# KiCad board arena_top_10-10.kicad_pcb
title: G6 10-10 Arena Top; date: 2026-06-10; rev: v1.1.8; company: IORodeo for Reiser Lab @ Janelia | HHMI
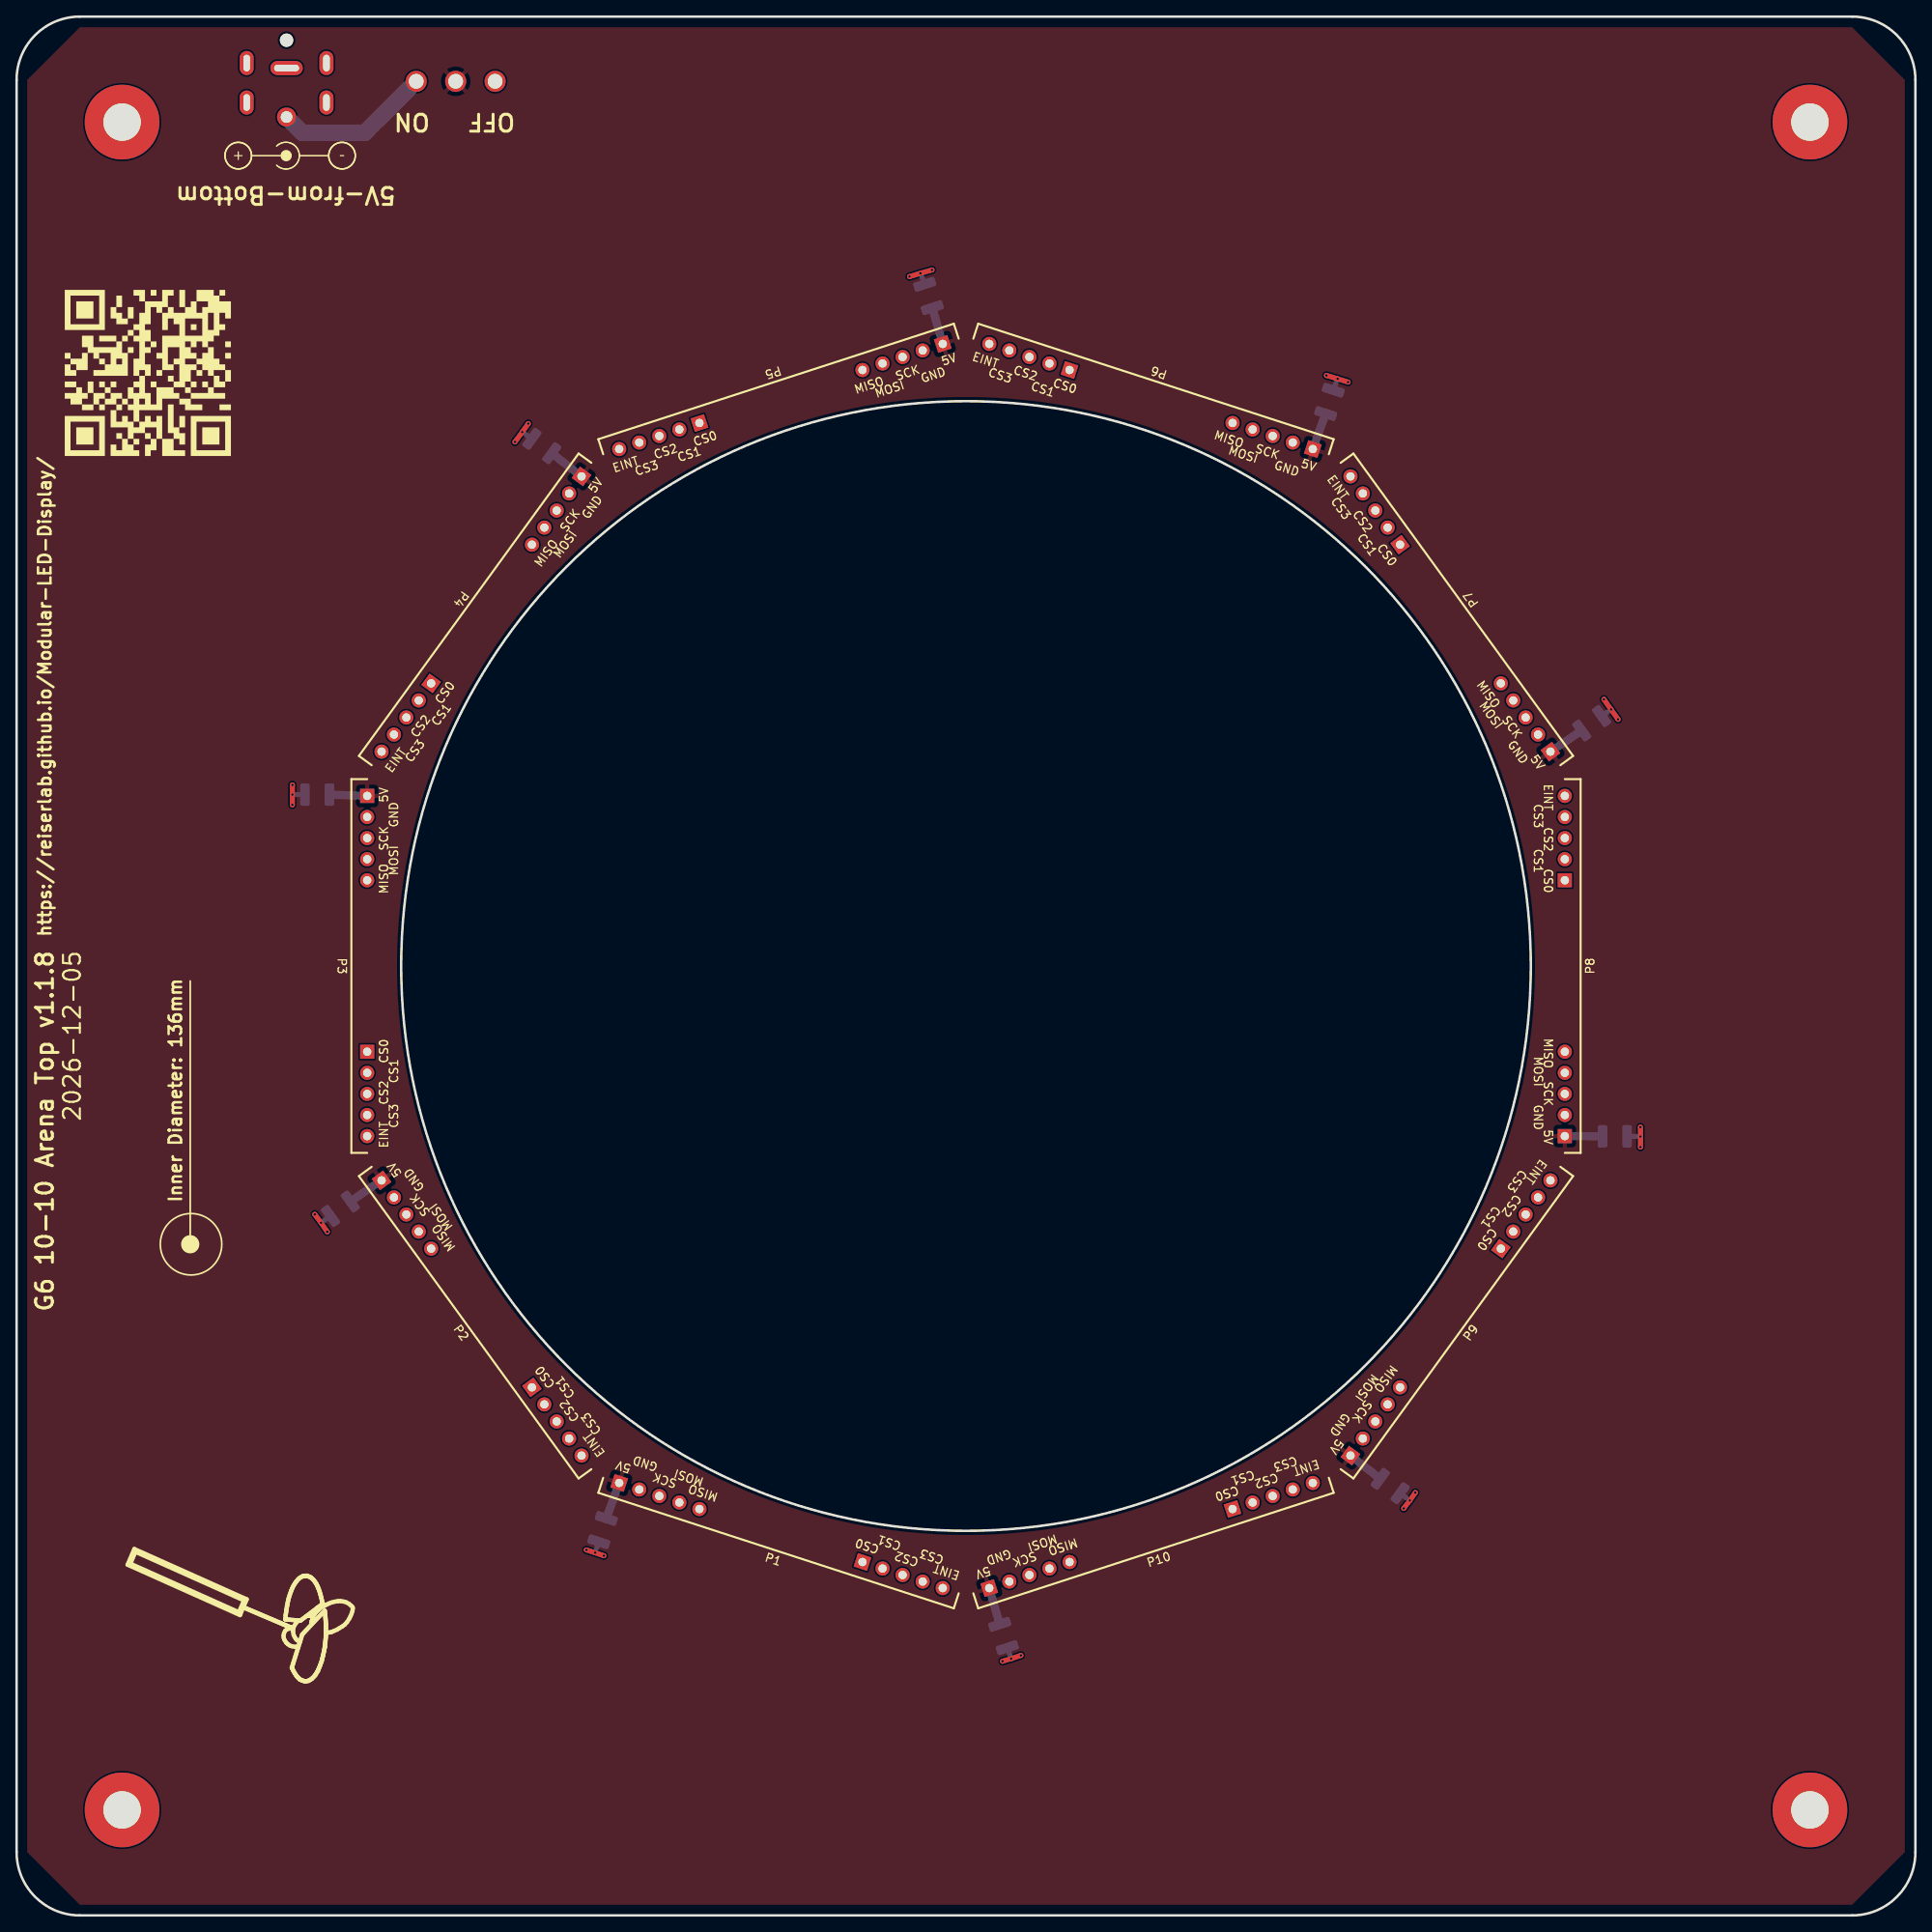
[diagram p0: board, top side]
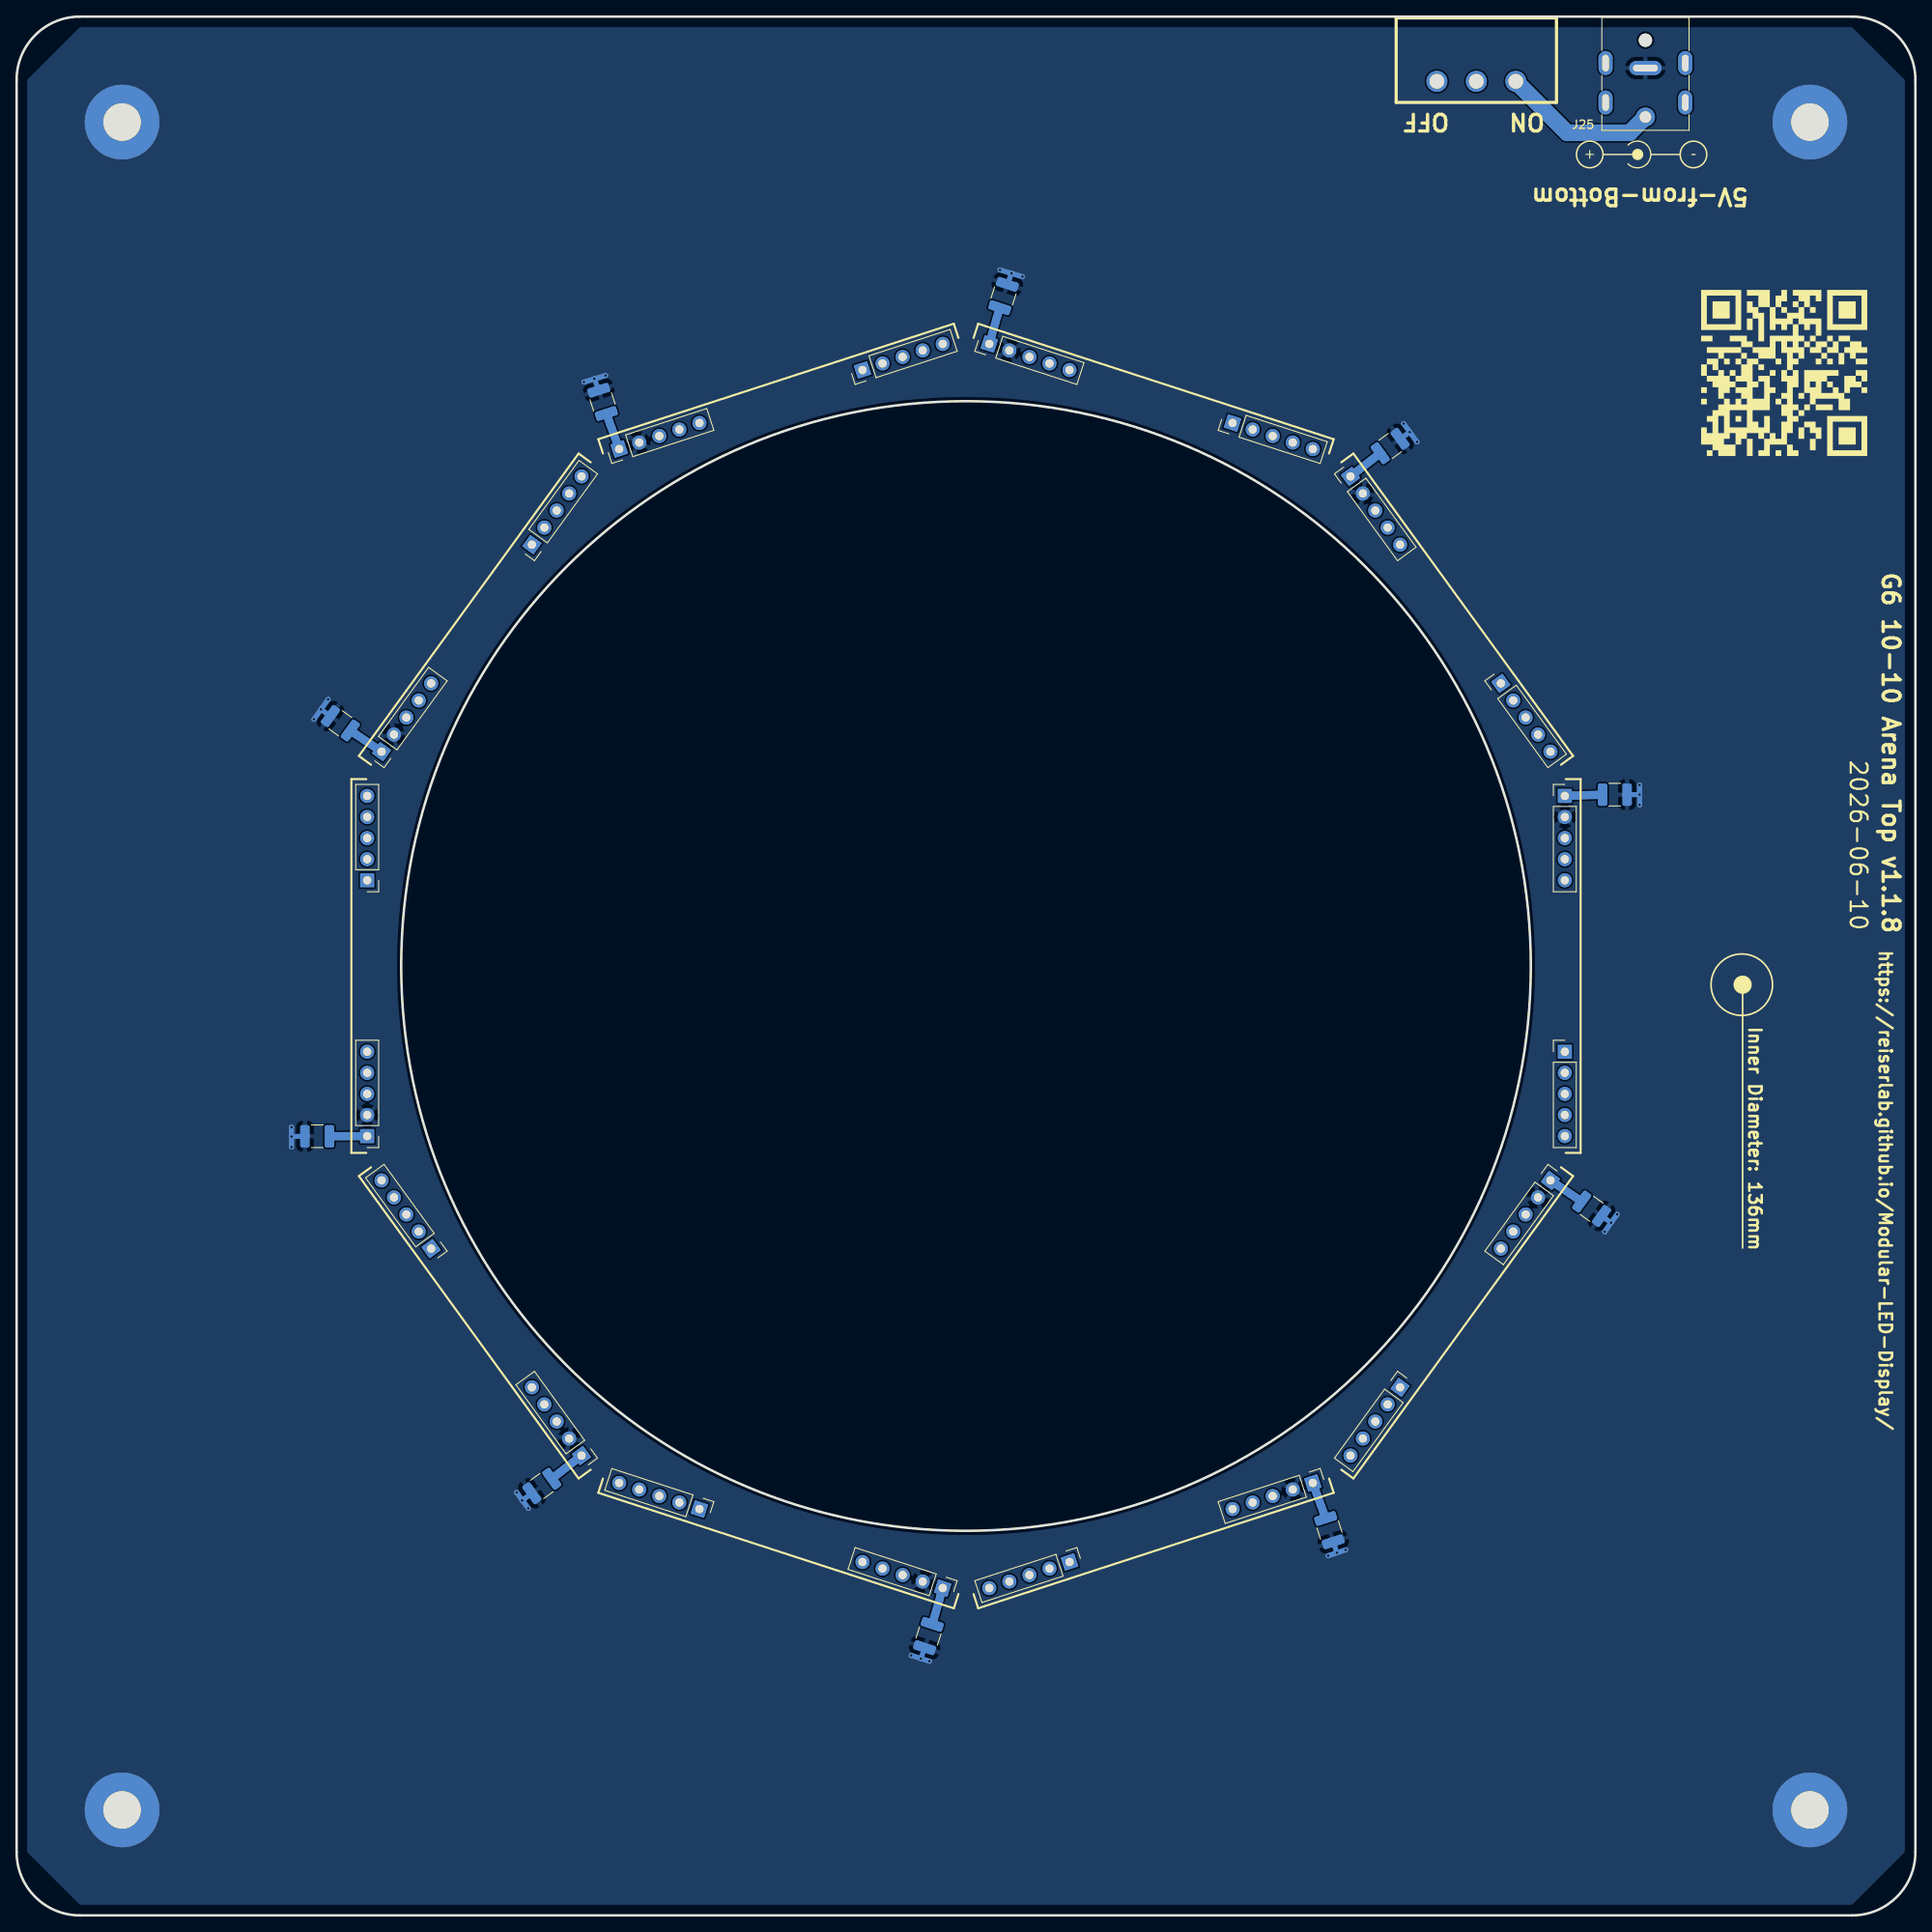
[diagram p1: board, bottom side, seen from below]

Outline 228.6 x 228.6 mm; copper layers: Top, Bottom. Coordinates in mm from the lower left corner of the outline.
Outline path: circle c114.3,114.3 r68 ; 0,220.98 0,7.62 arc(2.23,2.23) 7.62,0 220.98,0 arc(226.37,2.23) 228.6,7.62 228.6,220.98 arc(226.37,226.37) 220.98,228.6 7.62,228.6 arc(2.23,226.37) 0,220.98
Stack: Top 0.035mm / dielectric 1.51mm FR4 er 4.5 / Bottom 0.035mm

## Placement (name value [footprint] x y rotation side)
C42  100uF  [C_1210_3225Metric]  70.54 46.39 72 bottom
C47  100uF  [C_1210_3225Metric]  38.98 85.08 36 bottom
C52  100uF  [C_1210_3225Metric]  36.19 134.93 0 bottom
C57  100uF  [C_1210_3225Metric]  63.23 176.9 324 bottom
C62  100uF  [C_1210_3225Metric]  109.78 194.96 288 bottom
C67  100uF  [C_1210_3225Metric]  158.06 182.21 252 bottom
C72  100uF  [C_1210_3225Metric]  189.62 143.52 216 bottom
C77  100uF  [C_1210_3225Metric]  192.41 93.8 180 bottom
C82  100uF  [C_1210_3225Metric]  165.37 51.7 144 bottom
C87  100uF  [C_1210_3225Metric]  118.82 33.64 108 bottom
H1  MountingHole_Pad  [MountingHole_4.5mm_Pad]  12.7 215.9 0 top  (not fitted)
H2  MountingHole_Pad  [MountingHole_4.5mm_Pad]  215.9 215.9 0 top  (not fitted)
H3  MountingHole_Pad  [MountingHole_4.5mm_Pad]  215.9 12.7 0 top  (not fitted)
H4  MountingHole_Pad  [MountingHole_4.5mm_Pad]  12.7 12.7 0 top  (not fitted)
J5  Conn_01x05  [PinHeader_1x05_P2.54mm_Vertical]  72.54 52.06 252 bottom
J6  Conn_01x05  [PinHeader_1x05_P2.54mm_Vertical]  101.84 42.55 252 bottom
J7  Conn_01x05  [PinHeader_1x05_P2.54mm_Vertical]  43.94 88.49 216 bottom
J8  Conn_01x05  [PinHeader_1x05_P2.54mm_Vertical]  62.04 63.58 216 bottom
J9  Conn_01x05  [PinHeader_1x05_P2.54mm_Vertical]  42.21 134.78 180 bottom
J10  Conn_01x05  [PinHeader_1x05_P2.54mm_Vertical]  42.21 103.98 180 bottom
J11  Conn_01x05  [PinHeader_1x05_P2.54mm_Vertical]  68.01 173.24 144 bottom
J12  Conn_01x05  [PinHeader_1x05_P2.54mm_Vertical]  49.91 148.33 144 bottom
J13  Conn_01x05  [PinHeader_1x05_P2.54mm_Vertical]  111.5 189.19 108 bottom
J14  Conn_01x05  [PinHeader_1x05_P2.54mm_Vertical]  82.21 179.68 108 bottom
J15  Conn_01x05  [PinHeader_1x05_P2.54mm_Vertical]  156.06 176.54 72 bottom
J16  Conn_01x05  [PinHeader_1x05_P2.54mm_Vertical]  126.76 186.05 72 bottom
J17  Conn_01x05  [PinHeader_1x05_P2.54mm_Vertical]  184.66 140.11 36 bottom
J18  Conn_01x05  [PinHeader_1x05_P2.54mm_Vertical]  166.56 165.03 36 bottom
J19  Conn_01x05  [PinHeader_1x05_P2.54mm_Vertical]  186.39 93.82 0 bottom
J20  Conn_01x05  [PinHeader_1x05_P2.54mm_Vertical]  186.39 124.62 0 bottom
J21  Conn_01x05  [PinHeader_1x05_P2.54mm_Vertical]  160.59 55.36 324 bottom
J22  Conn_01x05  [PinHeader_1x05_P2.54mm_Vertical]  178.69 80.27 324 bottom
J23  Conn_01x05  [PinHeader_1x05_P2.54mm_Vertical]  117.1 39.41 288 bottom
J24  Conn_01x05  [PinHeader_1x05_P2.54mm_Vertical]  146.39 48.92 288 bottom
J25  Barrel_Jack  [BarrelJack_DC-053D-20A]  32.5 216.51 180 bottom
P1  NA  [Panel_Silk]  92.02 45.73 342 top  (not fitted)
P2  NA  [Panel_Silk]  55.97 71.92 306 top  (not fitted)
P3  NA  [Panel_Silk]  42.2 114.3 270 top  (not fitted)
P4  NA  [Panel_Silk]  55.97 156.68 234 top  (not fitted)
P5  NA  [Panel_Silk]  92.02 182.87 198 top  (not fitted)
P6  NA  [Panel_Silk]  136.58 182.87 162 top  (not fitted)
P7  NA  [Panel_Silk]  172.63 156.68 126 top  (not fitted)
P8  NA  [Panel_Silk]  186.4 114.3 90 top  (not fitted)
P9  NA  [Panel_Silk]  172.63 71.92 54 top  (not fitted)
P10  NA  [Panel_Silk]  136.58 45.73 18 top  (not fitted)
SW1  SW_SPDT  [slide_switch]  52.86 223.35 0 bottom

## Library data of the parts
C42 C47 C52 C57 C62 C67 C72 C77 C82 C87 = -: Description: Unpolarized capacitor, small symbol; LCSC Part #: C7432790; ki_fp_filters: C_*
H1-H4 = -: ki_fp_filters: MountingHole*Pad*
J5-J24 = -: Description: Generic connector, single row, 01x05, script generated (kicad-library-utils/schlib/autogen/connector/); LCSC Part #: C50950; FT Rotation Offset: 90; ki_fp_filters: Connector*:*_1x??_*
J25 = -: Datasheet: kicad-embed://DC-053D-20A_C707274.pdf; Description: DC Barrel Jack; LCSC Part #: C707274; FT Position Offset: 0,-1.143; ki_fp_filters: BarrelJack*
SW1 = -: Description: Switch, single pole double throw; LCSC Part #: C19189125

## Footprints (pads in the part's own frame, mm; a bottom-side part is the same pattern mirrored in y, then rotated)
BarrelJack_DC-053D-20A
  oval 1.7x2.9 hole 0.8x2: (-4.8,1.75) (-4.8,6.5) (4.8,1.75) (4.8,6.5)
  round 1.6 hole 1.6 unplated: (0,9.25)
  round 2.3 hole 1.4: 1(0,0)
  oval 3.9x1.7 hole 3x0.8: 2(0,5.9)
C_1210_3225Metric
  rrect 1.15x2.7 smd: 1(-1.475,0) 2(1.475,0)
MountingHole_4.5mm_Pad
  round 9 hole 4.5: 1(0,0)
PinHeader_1x05_P2.54mm_Vertical
  rect 1.7x1.7 hole 1: 1(0,0)
  round 1.7 hole 1: 2(0,-2.54) 3(0,-5.08) 4(0,-7.62) 5(0,-10.16)
slide_switch
  round 2.54 hole 1.778: 1(-4.75,2.54) 2(0,2.54) 3(4.75,2.54)

## Nets
+5V: C42.2 C47.2 C52.2 C57.2 C62.2 C67.2 C72.2 C77.2 C82.2 C87.2 J5.1 J7.1 J9.1 J11.1 J13.1 J15.1 J17.1 J19.1 J21.1 J23.1 SW1.2
GND: C42.1 C47.1 C52.1 C57.1 C62.1 C67.1 C72.1 C77.1 C82.1 C87.1 H1.1 H2.1 H3.1 H4.1 J5.2 J7.2 J9.2 J11.2 J13.2 J15.2 J17.2 J19.2 J21.2 J23.2 J25.2
/Power/SW_5V: J25.1 SW1.1

Pads without a net: J5 3 4 5; J6 1 2 3 4 5; J7 3 4 5; J8 1 2 3 4 5; J9 3 4 5; J10 1 2 3 4 5; J11 3 4 5; J12 1 2 3 4 5; J13 3 4 5; J14 1 2 3 4 5; J15 3 4 5; J16 1 2 3 4 5; J17 3 4 5; J18 1 2 3 4 5; J19 3 4 5; J20 1 2 3 4 5; J21 3 4 5; J22 1 2 3 4 5; J23 3 4 5; J24 1 2 3 4 5; SW1 3

## Via types
v1: diameter 0.6, hole 0.3, Top to Bottom, 30 vias

## Routing (per net, layer and track width the routed paths; a pad name or vN(x,y) marks a point on that pad's centre or on a via; arc(x,y) is an arc through that point)
+5V: length 45.5
  Bottom w1: C67.2 J15.1 ; C87.2 J23.1 ; C77.2 J19.1 ; C82.2 J21.1 ; C62.2 J13.1 ; C47.2 J7.1 ; C72.2 J17.1 ; C42.2 J5.1 ; C52.2 J9.1 ; J11.1 C57.2
GND: length 65.5
  Top w0.6: v1(168.4,50.9) v1(167.74,49.95) v1(167,49) ; v1(70.7,43.3) v1(69.65,43.66) v1(68.6,44) ; v1(33.2,134.94) v1(33.2,136.1) ; v1(33.2,134.94) 33.21,134.93 ; v1(33.2,134.94) v1(33.2,133.7) ; v1(118.7,30.6) v1(119.73,30.9) v1(120.9,31.3) ; v1(192.8,144) v1(191.96,145.19) v1(191.1,146.4) ; v1(60,177.4) v1(60.87,178.57) v1(61.6,179.6) ; v1(107.5,197.3) v1(108.81,197.7) v1(110.2,198.1) ; v1(157.7,185.4) v1(159.04,185) v1(160.3,184.6) ; v1(195.5,92.5) v1(195.5,93.77) v1(195.5,94.9) ; v1(35.9,84.4) v1(36.65,83.39) v1(37.4,82.3)
  Bottom w0.6: v1(68.6,44) v1(70.7,43.3) ; C57.1 v1(60.87,178.57) ; C47.1 v1(36.65,83.39) ; C72.1 v1(191.96,145.19) ; v1(195.5,94.9) v1(195.5,92.5) ; C42.1 v1(69.65,43.66) ; v1(157.7,185.4) v1(160.3,184.6) ; v1(61.6,179.6) v1(60,177.4) ; C77.1 v1(195.5,93.77) ; v1(120.9,31.3) v1(118.7,30.6) ; v1(168.4,50.9) v1(167,49) ; C87.1 v1(119.73,30.9) ; C82.1 v1(167.74,49.95) ; v1(35.9,84.4) v1(37.4,82.3) ; C52.1 v1(33.2,134.94) ; v1(33.2,136.1) v1(33.2,133.7) ; v1(110.2,198.1) v1(107.5,197.3) ; C67.1 v1(159.04,185) ; C62.1 v1(108.81,197.7) ; v1(191.1,146.4) v1(192.8,144)
/Power/SW_5V: length 19
  Bottom w2: SW1.1 41.91,214.61 34.4,214.61 J25.1

## Copper pours and planes (outline as drawn; the poured copper is in the pictures)
+5V on Top: 1.27,220.98 7.62,227.33 220.98,227.33 227.33,220.98 227.33,7.62 220.98,1.27 7.62,1.27 1.27,7.62
GND on Bottom: 1.27,220.98 7.62,227.33 220.98,227.33 227.33,220.98 227.33,7.62 220.98,1.27 7.62,1.27 1.27,7.62

## Text on the board
B.Silkscreen: Inner Diameter: 136mm | https://reiserlab.github.io/Modular-LED-Display/ | ON | OFF | 5V-from-Bottom | ${ISSUE_DATE} | ${TITLE} ${REVISION}
F.Silkscreen: https://reiserlab.github.io/Modular-LED-Display/ | Inner Diameter: 136mm | ${CURRENT_DATE} | ${TITLE} ${REVISION} | 5V-from-Bottom | OFF   ON
